# Altium PCB MB1635.PcbDoc (part 5 of 10)
Units mm, origin at the board's own origin, x right, y up, seen from the top; angles counter-clockwise.
Board outline 127 x 97 mm, 6 copper layers (Top Layer, Signal Layer 1, Signal Layer 2, Signal Layer 3, Signal Layer 4, Bottom Layer), stack 1.557 mm thick; 593 components, 478 nets, 2435 pads, 1743 vias.
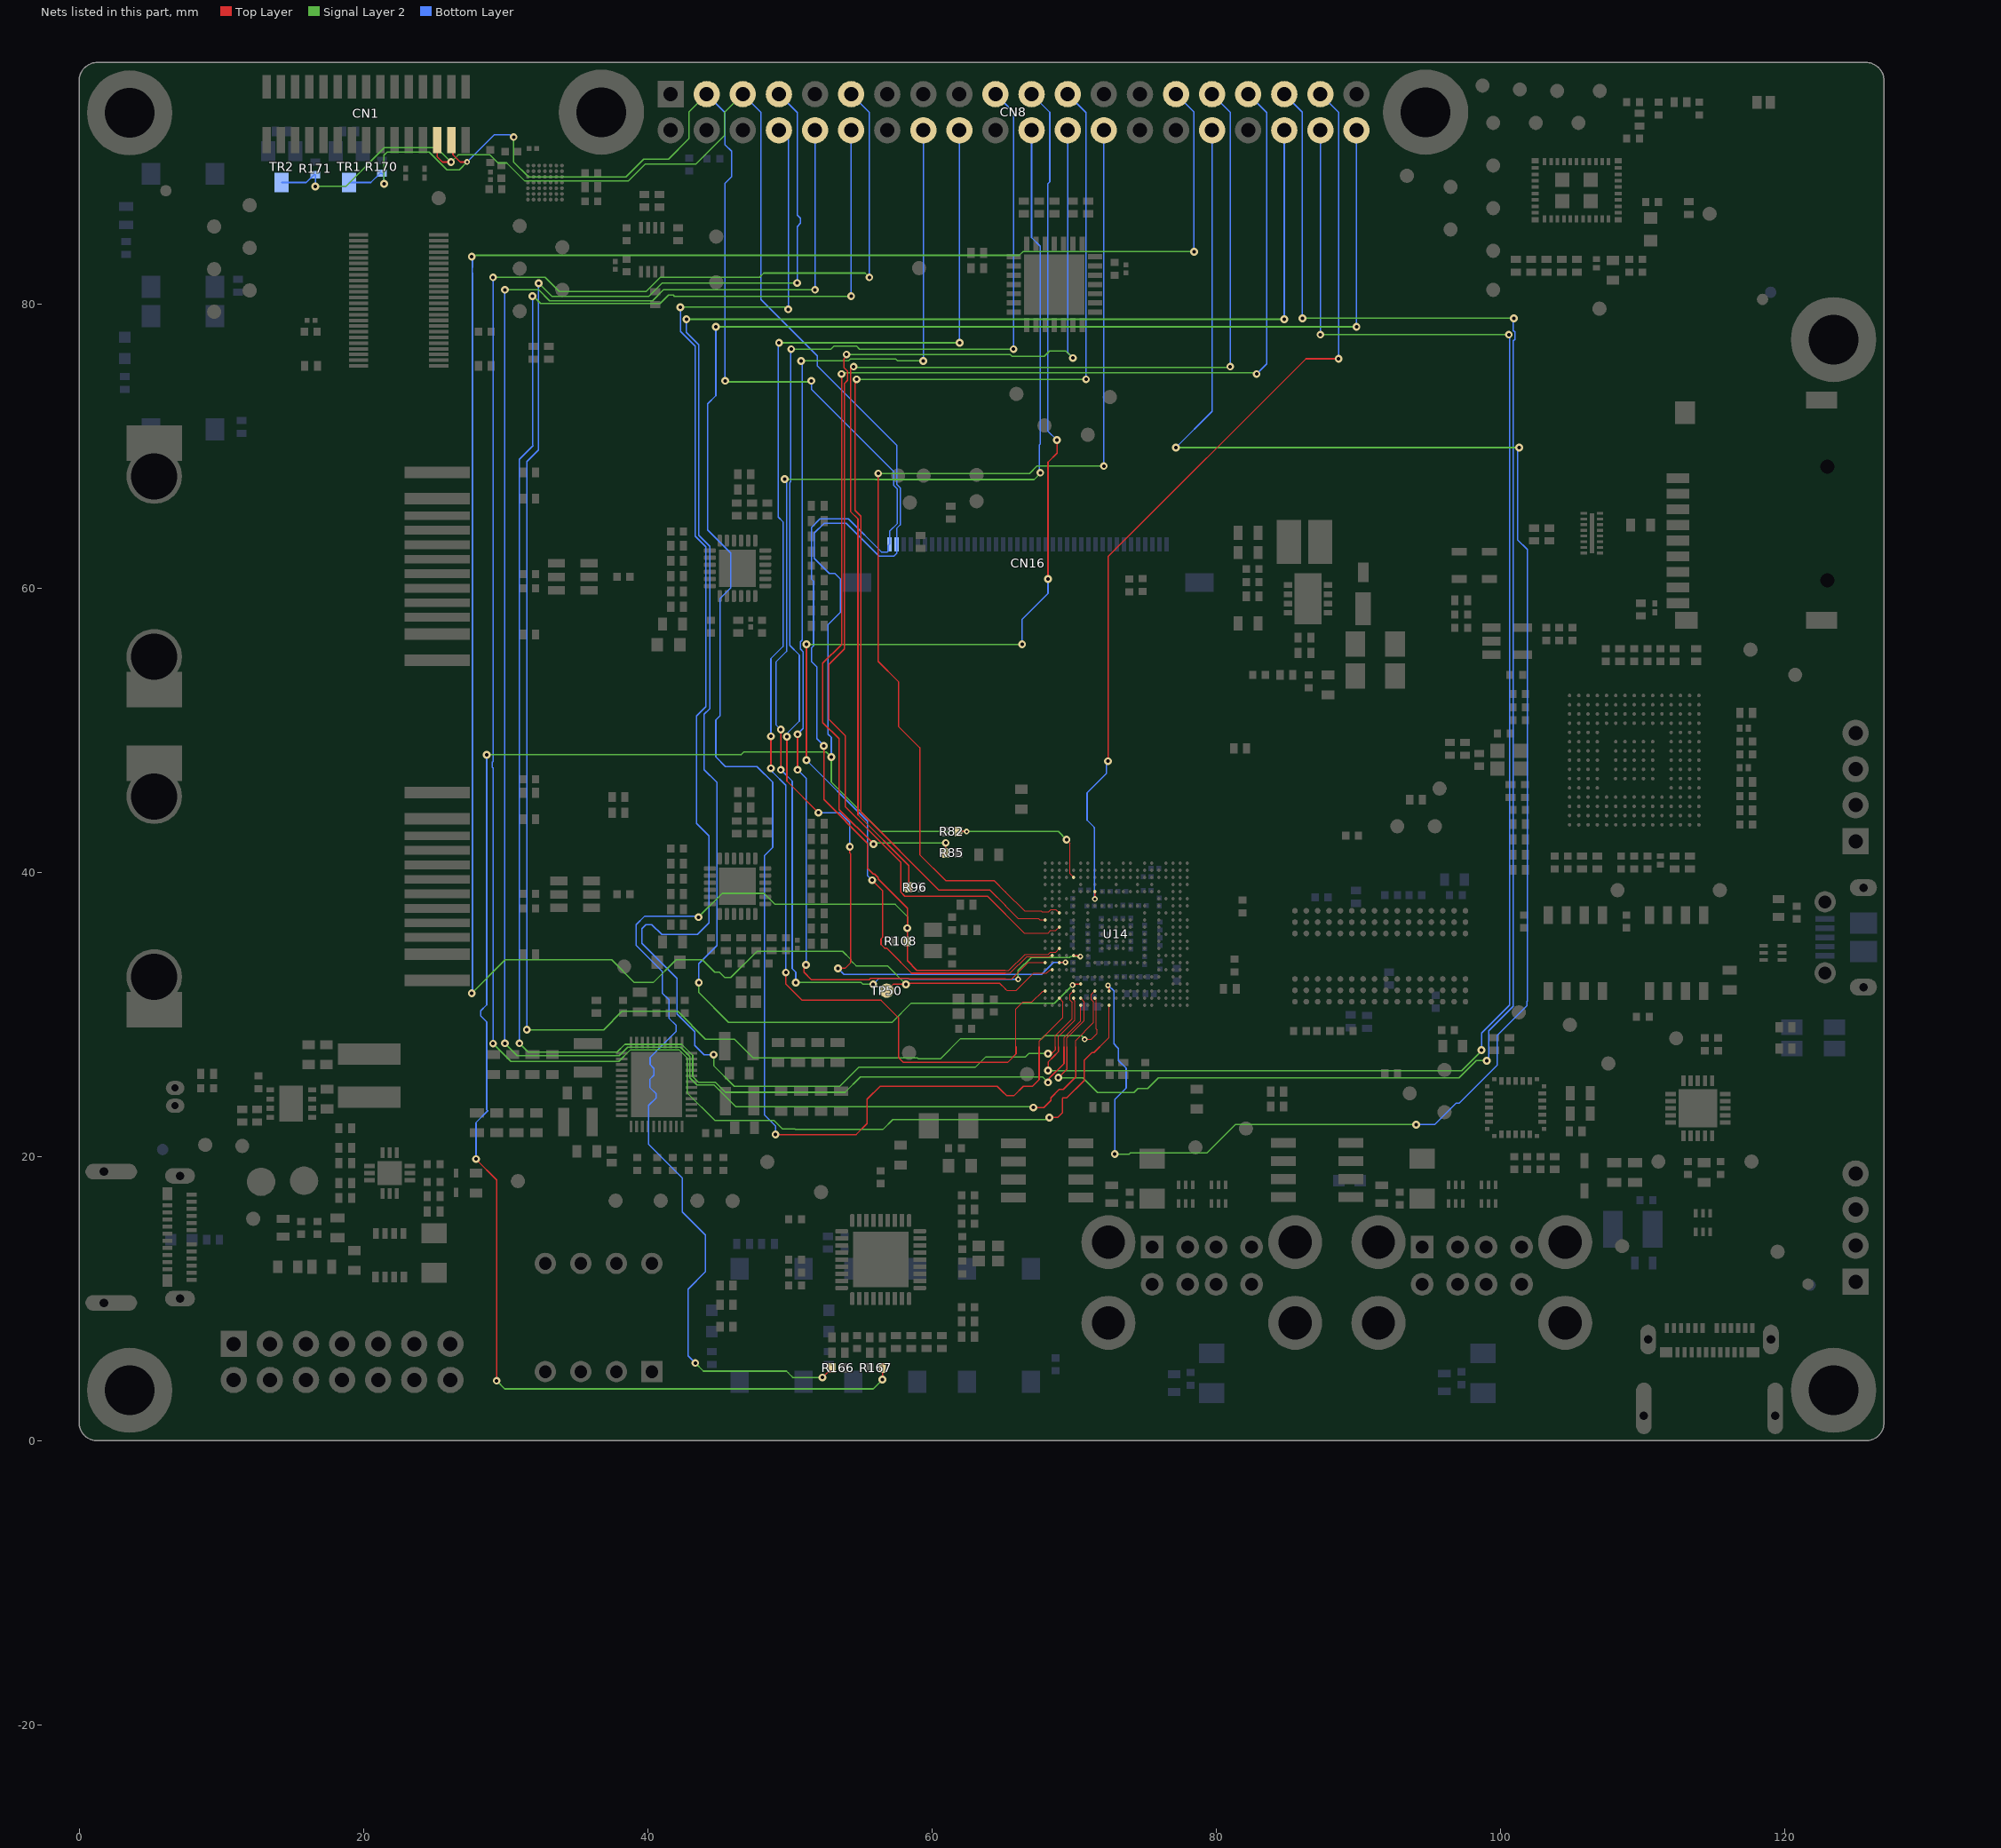
[diagram p9: the nets of this part, all layers, seen from the top]

## Via types
v1: diameter 0.55, hole 0.25, Top Layer to Bottom Layer, 1438 vias
v2: diameter 0.4, hole 0.2, Top Layer to Bottom Layer, 276 vias
v3: diameter 0.26, hole 0.1, Top Layer to Signal Layer 1, tented both sides, 29 vias

## Nets (pads, with @x,y where several pads share a name; then routed paths per layer and width w, separated by ;. In a path a pad name is that pad's centre, name@x,y a point inside that pad or via, vN(x,y) a via of type N, cw(c..) or ccw(c..) an arc to the next point about the centre after c; other vN are vias at no path point) (continued)
EXP_GPIO2: CN1.14 CN8.3 CN16.40 R108.1 R166.1 R170.2 TR1.3 U14.N3 | length 199.3
  Top Layer w0.075: 65.175,33.1 65.425,33.1 66.56,34.235 68.196,34.235 68.358,34.397 68.722,34.397 U14.N3@68.975,34.65
  Top Layer w0.09: v1(52.4,48.9) 52.4,45.125 55.475,42.05 55.475,40.275 55.88,39.87 55.974,39.87 56.22,39.624 56.22,39.53 58.275,37.475 R108.1@58.275,35.15 58.275,33.775 58.95,33.1 65.175,33.1
  Top Layer w0.1: CN1.14@26.2,91.525 26.304,91.421 26.304,90.509 26.825,89.987 27.287,89.987 v2(27.294,89.994) ; v1(52.3,4.45) R166.1@52.975,5.125
  Signal Layer 2 w0.1: v1(21.45,88.45) 21.45,90.475 21.675,90.7 24.625,90.7 25.875,89.45 26.75,89.45 v2(27.294,89.994) ; v1(30.573,91.75) 30.573,89.997 31.63,88.94 38.47,88.94 39.73,90.2 ; 39.95,90.2 39.73,90.2 ; v1(43.35,5.475) 43.925,4.9 49.775,4.9 49.9,4.775 ; v1(43.575,36.85) 45.25,38.525 48.2,38.525 48.975,37.75 57.425,37.75 58.275,36.9 v1(58.275,36.075) ; CN8.3@44.16,94.77 42.9,93.51 42.9,91.625 41.475,90.2 39.73,90.2 ; v1(45.45,74.6) 45.525,74.525 51.45,74.525 v1(51.525,74.6) ; 49.901,4.775 50.15,4.526 ; 50.15,4.525 50.225,4.45 v1(52.3,4.45)
  Bottom Layer w0.09: 51.9,51.5 51.9,49.4 v1(52.4,48.9)
  Bottom Layer w0.1: TR1.3@19,88.55 20.525,88.55 21.175,89.2 R170.2@21.3,89.2 21.45,89.05 v1(21.45,88.45) ; v2(27.294,89.994) 29.2,91.9 30.302,91.9 30.452,91.75 v1(30.573,91.75) ; v1(43.35,5.475) 42.85,5.975 42.85,10.675 44.075,11.9 44.075,14.475 42.45,16.1 42.45,18.5 40.075,20.875 40.075,23.6 40.6,24.125 40.6,24.425 40.15,24.875 40.15,25.425 40.45,25.725 40.45,26.2 40.175,26.475 40.175,26.976 42,28.801 42,29.242 41.525,29.717 41.5,29.742 41.5,31.045 41.027,31.518 41.027,33.039 39.2,34.866 39.2,36.325 39.8,36.925 43.45,36.925 v1@43.475,36.95 ; CN8.3@44.16,94.77 45.45,93.48 45.45,91.214 45.914,90.75 45.914,88.957 45.45,88.493 v1(45.45,74.6) ; v1(51.525,74.6) 51.525,74 57.325,68.2 57.325,67.23 57.575,66.98 57.575,64.56 57.025,64.01 CN16.40@57.025,63.1 56.925,63 56.925,62.609 56.866,62.55 56.45,62.55 54.125,64.875 52.137,64.875 51.525,64.263 51.525,60.648 51.675,60.498 51.675,55.937 51.525,55.787 51.525,54.85 51.9,54.475 51.9,51.5
EXP_GPIO3: CN1.13 CN8.5 CN16.39 R82.1 R167.1 R171.2 TR2.3 U14.C5 | length 224.9
  Top Layer w0.075: v1(69.475,42.3) 69.721,42.054 69.721,39.904 U14.C5@69.975,39.65
  Top Layer w0.1: CN1.13@25.2,91.525 25.2,90.362 25.412,90.15 25.575,89.987 v1(26.163,89.987) ; v1(27.925,19.825) 27.925,19.811 29.375,18.361 v1(29.375,4.225) ; v1(56.525,4.3) R167.1@56.525,5.125 ; R82.1@61.875,42.875 v2(62.45,42.875)
  Signal Layer 2 w0.09: 65.175,42.875 68.9,42.875 v1(69.475,42.3)
  Signal Layer 2 w0.1: v1(16.625,88.275) 18.75,88.275 21.48,91.005 25.145,91.005 v1(26.163,89.987) 26.671,90.496 28.907,90.496 29.477,89.925 30.085,89.925 31.36,88.65 38.63,88.65 39.83,89.85 43.4,89.85 45.4,91.85 45.4,93.47 CN8.5@46.7,94.77 ; v1(28.676,48.277) 46.573,48.277 46.575,48.275 46.775,48.475 52.575,48.475 v1(52.925,48.125) 52.925,46.35 56.4,42.875 v2(62.45,42.875) 65.175,42.875 ; v1(29.375,4.225) 29.95,3.65 55.875,3.65 v1(56.525,4.3)
  Bottom Layer w0.1: TR2.3@14.25,88.55 15.98,88.55 16.53,89.1 R171.2@16.625,89.1 v1(16.625,88.275) ; v1(27.925,19.825) 27.925,22.35 27.9,22.375 28.75,23.225 28.676,23.299 28.676,29.475 28.251,29.9 28.251,30.252 28.676,30.677 v1(28.676,48.277) ; CN8.5@46.7,94.77 47.975,93.495 47.975,80.325 51.95,76.35 51.95,75.65 57.525,70.075 57.525,67.313 57.775,67.063 57.775,64.46 57.525,64.21 CN16.39@57.525,63.1 57.525,62.451 57.336,62.262 56.288,62.262 53.975,64.575 52.425,64.575 51.725,63.875 51.725,62.106 52.787,61.044 53.181,61.044 53.575,60.65 53.575,58.3 52.7,57.425 52.7,49.725 52.925,49.5 v1(52.925,48.125)
EXP_GPIO4: CN8.7 U14.Y8 | length 131.5
  Top Layer w0.075: v2(70.75,28.25) 71.225,28.25 71.632,28.657 71.632,28.918 71.559,28.991 71.559,31.029 71.475,31.113 U14.Y8@71.475,31.15
  Signal Layer 2 w0.09: v1(31.5,28.925) 36.9,28.925 38.2,30.225 42.125,30.225 44.079,28.271 46.104,28.271 46.125,28.25 ; 41.023,81.475 v1(50.525,81.475) ; 62.375,28.3 67.715,28.3 67.929,28.514 70.536,28.514 70.775,28.275 v2@70.775,28.25
  Signal Layer 2 w0.1: v1(32.326,81.454) 32.351,81.454 33.28,80.525 40.073,80.525 41.023,81.475 ; 46.125,28.25 47.425,26.95 58.974,26.95 59.049,26.875 60.6,26.875 62.025,28.3 62.375,28.3
  Bottom Layer w0.09: v1(31.5,28.925) 31.5,68.9 32.33,69.73 32.326,69.734 v1(32.326,81.454) ; CN8.7@49.24,94.77 50.525,93.485 50.525,86.25 50.747,86.028 50.747,85.68 50.525,85.458 v1(50.525,81.475)
EXP_GPIO5: CN8.29 TP50.1 U14.T2 | length 162.3
  Top Layer w0.075: 65.175,31.8 65.275,31.7 65.947,31.7 67.151,32.904 67.466,32.904 68.077,32.904 68.3,33.127 68.452,33.127 U14.T2@68.475,33.15
  Top Layer w0.1: TP50.1@56.825,31.675 57.275,32.125 v1(58.175,32.125) 58.25,32.2 64.775,32.2 65.175,31.8
  Signal Layer 2 w0.1: v1(27.625,31.5) 29.975,33.85 37.475,33.85 39.075,32.25 40.4,32.25 42,33.85 43.851,33.85 44.726,32.975 45.05,32.975 45.25,32.775 ; v1(27.625,83.325) 27.711,83.411 27.895,83.411 27.909,83.425 66.15,83.425 66.425,83.7 78.425,83.7 v1(78.45,83.675) ; 45.251,32.775 45.426,32.6 45.851,32.6 47.701,34.45 53.72,34.45 54.3,33.87 54.3,33.799 54.674,33.425 56.875,33.425 56.95,33.35 ; 56.95,33.349 v1(58.175,32.125)
  Bottom Layer w0.1: v1(27.625,31.5) 27.675,31.55 27.675,82.179 27.651,82.203 27.651,82.555 27.675,82.579 27.675,83.275 v1(27.625,83.325) ; CN8.29@77.18,94.77 78.45,93.5 v1(78.45,83.675)
EXP_GPIO6: CN8.31 R96.2 | length 85
  Top Layer w0.1: v1(54.5,75.6) 54.35,75.6 54.275,75.525 54.275,65.4 54.8,64.875 54.8,44.05 58.375,40.475 R96.2@58.375,38.95
  Signal Layer 2 w0.1: v1(54.5,75.6) 54.45,75.6 54.4,75.55 80.95,75.55 v1(81,75.6)
  Bottom Layer w0.1: CN8.31@79.72,94.77 81,93.49 v1(81,75.6)
EXP_GPIO7: CN8.26 U14.H3 | length 79.4
  Top Layer w0.075: 65.175,38.625 66.524,37.276 67.699,37.276 67.741,37.235 68.211,37.235 68.373,37.397 68.728,37.397 U14.H3@68.975,37.15
  Top Layer w0.1: v1(56.225,68.075) 56.225,54.85 57.65,53.425 57.65,50.275 59.15,48.775 59.15,41.25 60.975,39.425 64.375,39.425 65.175,38.625
  Signal Layer 2 w0.1: v1(56.225,68.075) 66.875,68.075 67.4,68.6 v1(72.1,68.6)
  Bottom Layer w0.1: v1(72.1,68.6) CN8.26@72.1,92.23
EXP_GPIO8: CN8.24 U14.K3 | length 85.7
  Top Layer w0.075: 65.175,37.075 66.515,35.735 68.185,35.735 68.354,35.904 68.729,35.904 U14.K3@68.975,36.15
  Top Layer w0.1: v1(54,76.45) 54,76.328 53.825,76.153 53.825,75.524 54.075,75.274 54.075,74.625 53.85,74.4 53.85,55.725 52.75,54.625 52.75,50.775 53.9,49.625 53.9,44.625 57.825,40.7 57.825,38.6 58.1,38.325 63.925,38.325 65.175,37.075
  Signal Layer 2 w0.1: v1(54,76.45) 65.524,76.45 65.649,76.325 67.907,76.325 68.282,76.7 69.425,76.7 v1(69.925,76.2)
  Bottom Layer w0.1: CN8.24@69.56,92.23 69.56,76.565 v1(69.925,76.2)
EXP_GPIO9: CN8.21 U14.P2 | length 92.6
  Top Layer w0.075: 65.175,32.9 65.515,32.9 66.681,34.066 68.266,34.066 68.327,34.127 68.452,34.127 U14.P2@68.475,34.15
  Top Layer w0.1: v1(51.175,47.9) v1(51.175,56.05) ; v1(55.8,39.45) 56.525,38.725 56.525,35.426 56.428,35.329 56.428,34.926 56.677,34.677 56.824,34.677 57.8,33.701 57.8,33.675 58.575,32.9 65.175,32.9 ; v1(68.175,60.65) 68.175,68.866 68.808,69.499 68.808,70.417 v1(68.8,70.425)
  Signal Layer 2 w0.1: v1(51.175,56.05) v1(66.35,56.05)
  Bottom Layer w0.1: v1(51.175,47.9) 55.475,43.6 55.475,39.775 v1(55.8,39.45) ; v1(66.35,56.05) 66.35,57.808 68.175,59.633 v1(68.175,60.65) ; CN8.21@67.02,94.77 68.3,93.49 68.3,88.595 68.15,88.445 68.15,71.075 v1(68.8,70.425)
EXP_GPIO10: CN8.19 U14.R3 | length 98.9
  Top Layer w0.09: U14.R3@68.975,33.65 68.988,33.663 69.388,33.663 v2(69.4,33.675)
  Top Layer w0.1: v1(49.8,49.55) 49.8,46.425 v1(52.025,44.2) ; v1(53.4,33.25) 53.9,33.25 54.275,33.625 54.275,41.325 54.225,41.375 v1(54.225,41.8)
  Signal Layer 2 w0.1: v1(50.1,76.825) 52.9,76.825 53.125,77.05 54.686,77.05 54.911,76.825 v1(65.75,76.825)
  Bottom Layer w0.09: 65.175,32.825 67.725,32.825 68.575,33.675 v2(69.4,33.675)
  Bottom Layer w0.1: v1(49.8,49.55) 49.8,49.775 50.675,50.65 50.675,55.3 50,55.975 50,67.424 50.075,67.499 50.075,76.8 v1(50.1,76.825) ; v1(52.025,44.2) 53.525,44.2 54.225,43.5 v1(54.225,41.8) ; v1(53.4,33.25) 53.825,32.825 65.175,32.825 ; CN8.19@64.48,94.77 65.75,93.5 v1(65.75,76.825)
EXP_GPIO11: CN8.23 U14.J1 | length 83.5
  Top Layer w0.075: 65.175,37.675 66.081,36.769 67.489,36.769 67.608,36.65 U14.J1@67.975,36.65
  Top Layer w0.1: v1(54.7,74.7) 54.614,74.614 54.614,74.43 54.6,74.416 54.6,65.475 55,65.075 55,44.25 60.5,38.75 64.1,38.75 65.175,37.675
  Signal Layer 2 w0.1: v1(54.7,74.7) v1(70.85,74.7)
  Bottom Layer w0.1: CN8.23@69.56,94.77 70.85,93.48 v1(70.85,74.7)
EXP_GPIO12: CN8.32 U14.W10 | length 134.9
  Top Layer w0.1: v2@72.4,32.05 72.438,32.05 72.465,32.077 72.465,31.66 U14.W10@72.475,31.65
  Signal Layer 2 w0.1: v1(72.875,20.175) 73.874,20.175 73.95,20.251 79.351,20.251 81.35,22.25 v1(94.075,22.25) ; v1(77.175,69.9) v1(101.325,69.9)
  Bottom Layer w0.09: v2@72.4,32.05 72.8,31.65 72.8,27.936 73.011,27.725
  Bottom Layer w0.1: v1(72.875,20.175) 72.875,24.025 73.675,24.825 73.675,26.225 73.132,26.768 73.132,27.603 73.011,27.725 ; v1(77.175,69.9) 79.72,72.445 CN8.32@79.72,92.23 ; v1(94.075,22.25) 95.375,22.25 96.875,23.75 97.1,23.75 99.775,26.425 99.775,28.525 101.875,30.625 101.875,30.908 101.9,30.933 101.9,62.725 101.225,63.4 101.225,69.616 101.239,69.63 101.239,69.814 v1(101.325,69.9)
  other v2: 72.395,32.05
EXP_GPIO13: CN8.33 R85.1 | length 90.7
  Top Layer w0.09: v1(53.65,75.075) 53.65,56.05 52.325,54.725 52.325,50.55 53.475,49.4 53.475,44.425 v1(55.9,42) ; R85.1@60.975,41.375 v1(60.975,42.075)
  Signal Layer 2 w0.09: v1(53.65,75.075) 53.725,75.15 82.775,75.15 v1(82.85,75.075) ; v1(55.9,42) 55.975,42.075 v1(60.975,42.075)
  Bottom Layer w0.09: CN8.33@82.26,94.77 83.55,93.48 83.55,75.775 v1(82.85,75.075)
EXP_GPIO14: CN8.8 U14.W5 | length 113.4
  Top Layer w0.075: 68.7,27.725 68.7,28.497 69.89,29.687 69.89,30.86 69.725,31.025 69.725,31.4 U14.W5@69.975,31.65
  Top Layer w0.1: v1(68.175,27.25) 68.275,27.25 68.35,27.175 68.7,27.525 68.7,27.725
  Signal Layer 2 w0.09: v1(42.302,79.779) 49.628,79.779 49.778,79.629 v1(49.902,79.629)
  Signal Layer 2 w0.1: v1(44.65,27.172) 44.65,26.394 46.094,24.95 53.526,24.95 54.476,25.9 54.876,26.3 63.075,26.3 63.775,27 66.565,27 66.815,27.25 v1(68.175,27.25)
  Bottom Layer w0.09: v1(42.302,79.779) 42.302,78.073 43.35,77.025 43.35,63.675 44.1,62.925 44.1,51.655 43.45,51.005 43.45,43.45 44.325,42.575 44.325,36.45 43.5,35.625 40.999,35.625 40.299,36.325 39.881,36.325 39.605,36.049 39.605,35.02 41.422,33.203 42.072,32.553 42.072,31.603 42.072,30.053 43.325,28.8 43.325,27.825 43.978,27.172 v1(44.65,27.172) ; CN8.8@49.24,92.23 49.902,91.568 v1(49.902,79.629)
EXP_GPIO15: CN8.10 U14.W8 | length 137.9
  Top Layer w0.075: 70.12,27.725 70.12,28.17 71.39,29.44 71.39,30.885 71.225,31.05 71.225,31.4 U14.W8@71.475,31.65
  Top Layer w0.1: v1(67.15,23.45) 67.875,23.45 68.375,23.95 68.375,24.139 68.962,24.726 69.245,24.726 70.12,25.601 70.12,27.725
  Signal Layer 2 w0.1: v1(29.95,27.975) 30.825,27.1 38,27.1 38.6,27.7 42.317,27.7 42.975,27.042 42.975,25.544 43.482,25.038 44.68,25.038 46.217,23.5 67.1,23.5 v1(67.15,23.45) ; v1(29.95,81) 32.33,81 33.105,80.225 40.34,80.225 41.115,81 v1(51.78,81)
  Bottom Layer w0.1: v1(29.95,27.975) v1(29.95,81) ; v1(51.78,81) CN8.10@51.78,92.23
EXP_GPIO16: CN8.36 U14.V6 | length 133.4
  Top Layer w0.09: v2(69.9,32.075) 69.948,32.123 70.448,32.123 U14.V6@70.475,32.15
  Signal Layer 2 w0.09: 65.175,30.8 68.625,30.8 v2(69.9,32.075)
  Signal Layer 2 w0.1: v1(42.725,78.925) v1(84.8,78.925) ; v1(43.6,32.25) 43.6,31.55 45.7,29.45 57.2,29.45 58.55,30.8 65.175,30.8
  Bottom Layer w0.1: v1(42.725,78.925) 42.725,78 43.6,77.125 43.6,63.725 44.375,62.95 44.375,51.525 43.975,51.125 43.975,47.234 44.875,46.334 44.875,34.85 43.6,33.575 v1(43.6,32.25) ; v1(84.8,78.925) CN8.36@84.8,92.23
EXP_GPIO17: CN8.11 U14.AA10 | length 149.3
  Top Layer w0.075: 71.809,27.725 72.475,28.391 U14.AA10@72.475,30.65
  Top Layer w0.1: v1(68.275,22.75) 68.851,22.75 69.2,23.099 69.2,24.116 69.21,24.126 69.494,24.126 70.72,25.353 70.72,26.77 71.272,27.322 71.406,27.322 71.809,27.725
  Signal Layer 2 w0.1: v1(29.125,27.95) 30.375,26.7 37.975,26.7 38.775,27.5 42.234,27.5 42.775,26.959 42.775,24.5 44.725,22.55 48.887,22.55 49.487,21.95 50.367,21.95 50.392,21.925 56.575,21.925 57.25,22.6 68.125,22.6 v1(68.275,22.75) ; v1(29.126,81.879) 32.784,81.879 33.788,80.875 39.9,80.875 40.9,81.875 47.875,81.875 48.175,82.175 55.3,82.175 v1(55.6,81.875)
  Bottom Layer w0.1: v1(29.125,27.95) 29.125,47.353 29.076,47.401 29.076,47.753 29.126,47.803 v1(29.126,81.879) ; CN8.11@54.32,94.77 55.6,93.49 v1(55.6,81.875)
EXP_GPIO18: CN8.12 U14.AA6 | length 134.5
  Top Layer w0.075: 69.3,27.725 69.3,28.38 70.475,29.555 U14.AA6@70.475,30.65
  Top Layer w0.1: v1(68.175,25.225) 68.261,25.311 68.261,25.51 69.3,26.549 69.3,27.725
  Signal Layer 2 w0.09: v1(31.901,80.554) 31.946,80.554 32.47,80.03 40.886,80.03 41.476,80.62 41.824,80.62 41.894,80.55 v1(54.32,80.55)
  Signal Layer 2 w0.1: v1(30.975,27.975) 31.6,27.35 37.85,27.35 38.4,27.9 42.4,27.9 43.175,27.125 43.175,25.627 43.565,25.238 44.763,25.238 45.475,24.525 53.9,24.525 54.975,25.6 67.8,25.6 v1(68.175,25.225)
  Bottom Layer w0.09: v1(30.975,27.975) 30.975,69.075 31.95,70.05 31.901,70.099 v1(31.901,80.554) ; v1(54.32,80.55) CN8.12@54.32,92.23
EXP_GPIO19: CN8.35 U14.Y6 | length 122.3
  Top Layer w0.075: 69.5,27.725 69.5,28.341 70.725,29.566 70.725,30.9 U14.Y6@70.475,31.15
  Top Layer w0.1: v1(68.903,25.551) 69.5,26.148 69.5,27.725
  Signal Layer 2 w0.09: v1(68.903,25.551) 70.63,25.551 71.236,24.945 71.661,24.52 74.219,24.52 74.504,24.805 74.851,24.805 75.199,24.805 75.945,25.551 78.474,25.551 91.025,25.551 97.101,25.551 98.3,26.75 v1(99.05,26.75) ; v1(86.075,78.995) v1(100.945,78.995)
  Bottom Layer w0.09: CN8.35@84.8,94.77 86.075,93.495 v1@86.075,79 ; v1(99.05,26.75) 99.05,26.874 99.175,26.999 99.175,28.85 100.9,30.575 100.9,77.4 101.02,77.52 101.02,78.024 100.9,78.144 100.9,78.95 v1(100.945,78.995)
EXP_GPIO20: CN8.38 U14.Y5 | length 115.9
  Top Layer w0.075: 68.9,27.725 68.9,28.458 70.059,29.617 70.059,30.941 69.998,31.002 69.998,31.127 U14.Y5@69.975,31.15
  Top Layer w0.1: v1(68.178,26.051) 68.178,26.652 68.6,27.074 ; 68.6,27.075 68.9,27.375 68.9,27.725
  Signal Layer 2 w0.09: v1(68.178,26.051) 77.974,26.051 97.276,26.051 98.675,27.45 v1(98.675,27.5) ; v1(87.34,77.85) v1(100.6,77.85)
  Bottom Layer w0.09: v1(87.34,77.85) CN8.38@87.34,92.23 ; v1(98.675,27.5) 98.675,28.7 100.65,30.675 100.65,77.8 v1(100.6,77.85)
EXP_GPIO21: CN8.40 U14.Y3 | length 148.8
  Top Layer w0.075: 67.55,27.725 67.55,28.125 69.225,29.8 69.225,30.9 U14.Y3@68.975,31.15
  Top Layer w0.1: v1(49.002,21.551) 54.676,21.551 55.45,22.325 55.45,24.033 56.367,24.95 64.599,24.95 64.975,24.574 65.249,24.3 65.796,24.3 66.446,24.95 67.083,24.95 67.55,25.417 67.55,27.725
  Signal Layer 2 w0.1: v1(44.8,78.4) v1(89.88,78.4)
  Bottom Layer w0.1: v1(44.8,78.4) 44.8,73.55 44.225,72.975 44.225,64.108 45.85,62.483 45.85,60.025 45.1,59.275 45.1,51.025 44.8,50.725 44.8,48.125 45.475,47.45 47.7,47.45 48.8,46.35 48.8,41.75 48.225,41.175 48.225,22.925 49.002,22.148 v1(49.002,21.551) ; v1(89.88,78.4) CN8.40@89.88,92.23
EXP_GPIO23: CN8.16 U14.R1 | length 86.3
  Top Layer w0.075: 65.175,32.5 65.625,32.5 66.775,33.65 U14.R1@67.975,33.65
  Top Layer w0.1: v1(50.55,47.225) v1(50.55,49.725) ; v1(51.15,33.5) 51.15,33.378 51,33.228 51,32.974 51.524,32.45 55.599,32.45 55.699,32.55 58.351,32.55 58.401,32.5 65.175,32.5
  Signal Layer 2 w0.1: v1(50.8,76) 54.151,76 54.276,76.125 57.457,76.125 57.582,76 v1(59.4,76)
  Bottom Layer w0.1: v1(50.55,47.225) 51.15,46.625 v1(51.15,33.5) ; v1(50.55,49.725) 50.95,50.125 50.95,55.525 50.75,55.725 50.75,55.874 50.75,56.226 50.875,56.351 50.875,75.925 v1(50.8,76) ; v1(59.4,76) CN8.16@59.4,92.23
EXP_GPIO24: CN8.18 U14.W1 | length 99.8
  Top Layer w0.075: 65.925,27.725 65.925,30.4 66.4,30.875 67.039,30.875 67.809,31.645 67.97,31.645 U14.W1@67.975,31.65
  Top Layer w0.1: v1(48.675,47.325) v1(48.675,49.575) ; v1(49.725,32.95) 49.725,32.15 50.875,31 56.425,31 57.65,29.775 57.65,26.975 58,26.625 65.325,26.625 65.925,27.225 65.925,27.725
  Signal Layer 2 w0.1: v1(49.25,77.275) v1(61.95,77.275)
  Bottom Layer w0.1: v1(48.675,47.325) 48.675,47.203 48.801,47.078 48.801,47.049 49.725,46.125 v1(49.725,32.95) ; v1(48.675,49.575) 48.675,55.05 49.525,55.9 49.525,64.675 49.2,65 49.2,77.225 v1(49.25,77.275) ; v1@61.94,77.275 CN8.18@61.94,92.23
EXP_GPIO25: CN8.22 U14.P5 | length 100.8
  Top Layer w0.09: U14.P5@69.975,34.15 70.002,34.123 70.406,34.123 v2(70.45,34.079)
  Top Layer w0.1: v1(49.375,47.225) v1(49.375,50.05)
  Signal Layer 2 w0.09: v2(66.075,32.475) 66.075,33.1 66.991,34.016 69.701,34.016 69.764,34.079 v2(70.45,34.079)
  Signal Layer 2 w0.1: v1(49.65,67.675) 56.024,67.675 56.049,67.65 67.2,67.65 67.628,68.078 v1(67.628,68.128) ; v1(50.425,32.25) 55.042,32.25 55.167,32.125 v1(55.875,32.125)
  Bottom Layer w0.09: 65.175,32.475 v2(66.075,32.475)
  Bottom Layer w0.1: v1(49.375,47.225) 50.175,46.425 50.175,33.225 50.425,32.975 v1(50.425,32.25) ; v1(49.375,50.05) 49.025,50.4 49.025,54.8 49.775,55.55 49.775,67.428 49.65,67.553 v1(49.65,67.675) ; v1(55.875,32.125) 56.3,32.55 58.351,32.55 58.426,32.475 65.175,32.475 ; CN8.22@67.02,92.23 67.02,84.68 67.625,84.075 67.625,70.151 67.575,70.101 67.575,68.181 v1(67.628,68.128)
EXP_GPIO26: CN8.37 U14.E8 | length 66.6
  Top Layer w0.09: v2(71.475,38.125) U14.E8@71.475,38.65
  Top Layer w0.1: v1(72.4,47.825) 72.4,62.225 86.325,76.15 v1(88.625,76.15)
  Bottom Layer w0.09: 71.425,43.125 71.425,38.175 v2(71.475,38.125)
  Bottom Layer w0.1: 71.425,43.125 71.425,43.175 70.925,43.675 70.925,45.6 72.275,46.95 72.275,47.578 72.4,47.703 v1(72.4,47.825) ; CN8.37@87.34,94.77 88.625,93.485 v1(88.625,76.15)